# KiCad board TEST_PANEL.kicad_pcb (continued)
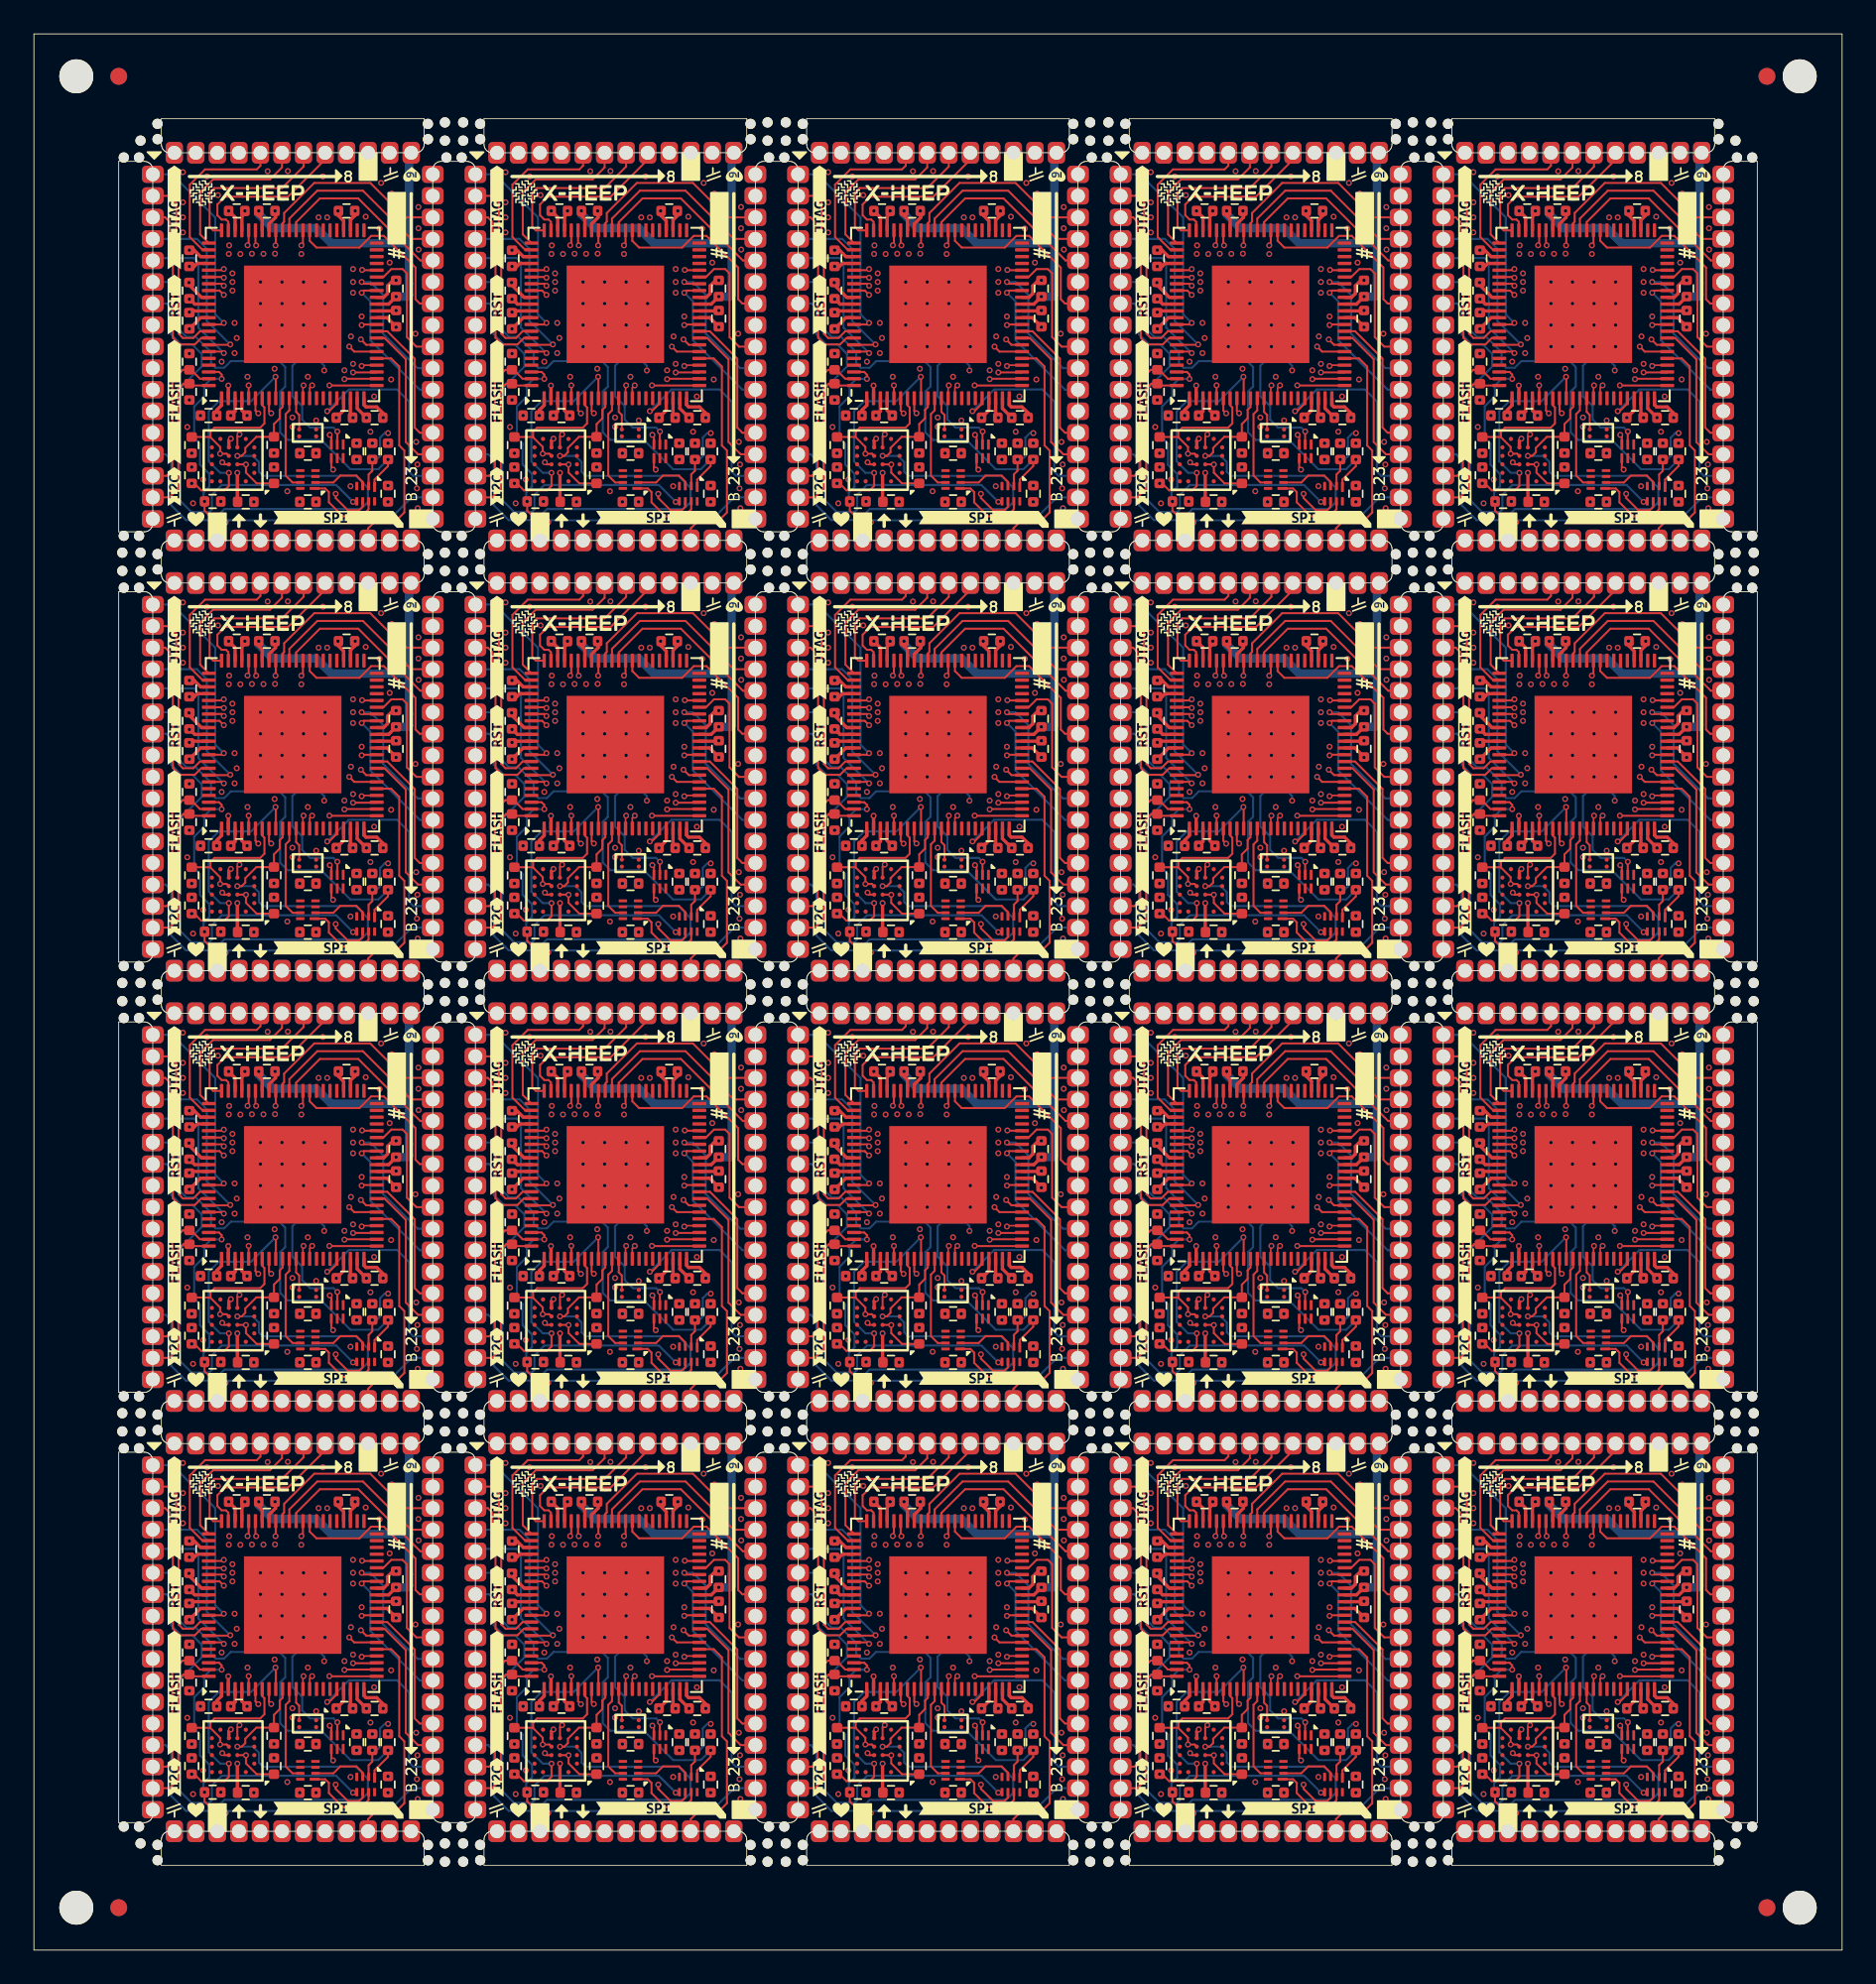
[diagram p0: board, top side]
## Routing (per net, layer and track width the routed paths; a pad name or vN(x,y) marks a point on that pad's centre or on a via; arc(x,y) is an arc through that point) (continued)
Board_15-/[1] HEEPocrates/REF_CLK_IN: length 38.2
  Top w0.12: OSC20.2 91.75,90.52 91.57,90.7 U96.12 ; OSC2.2 34.67,14.41 34.49,14.59 U6.12 ; OSC19.2 72.72,90.52 72.54,90.7 U91.12 ; OSC18.2 53.7,90.52 53.51,90.7 U86.12 ; U16.12 72.54,14.59 72.72,14.41 OSC4.2 ; U56.12 34.49,65.33 34.67,65.15 OSC12.2 ; OSC9.2 72.72,39.78 72.54,39.96 U41.12 ; U1.12 15.46,14.59 15.64,14.41 OSC1.2 ; OSC11.2 15.64,65.15 15.46,65.33 U51.12 ; U76.12 15.46,90.7 15.64,90.52 OSC16.2 ; U61.12 53.51,65.33 53.7,65.15 OSC13.2 ; OSC17.2 34.67,90.52 34.49,90.7 U81.12 ; OSC14.2 72.72,65.15 72.54,65.33 U66.12 ; OSC6.2 15.64,39.78 15.46,39.96 U26.12 ; U31.12 34.49,39.96 34.67,39.78 OSC7.2 ; U36.12 53.51,39.96 53.7,39.78 OSC8.2 ; OSC3.2 53.7,14.41 53.51,14.59 U11.12 ; OSC15.2 91.75,65.15 91.57,65.33 U71.12 ; OSC5.2 91.75,14.41 91.57,14.59 U21.12 ; OSC10.2 91.75,39.78 91.57,39.96 U46.12
Board_15-/[2] Connectors & Flash/nSOC_RST: length 95
  Top w0.12: U90.4 55.59,87.4 v1(55.7,87.3) ; U83.6 38.41,85.11 38.2,84.9 37.54,84.9 36.82,85.62 v1(36.82,85.87) ; v1(93.9,9.76) 93.9,9.51 94.62,8.79 95.28,8.79 95.49,9 U23.6 ; U93.6 76.47,85.11 76.25,84.9 75.59,84.9 74.87,85.62 v1(74.87,85.87) ; v1(93.9,35.13) 93.9,34.88 94.62,34.16 95.28,34.16 95.49,34.37 U48.6 ; U78.6 19.39,85.11 19.17,84.9 18.51,84.9 17.79,85.62 v1(17.79,85.87) ; 36.56,62.6 36.56,62.03 v1(36.67,61.92) ; v1(55.85,35.13) 55.85,34.88 56.57,34.16 57.23,34.16 57.44,34.37 U38.6 ; v1(74.72,87.3) 74.62,87.4 U95.4 ; v1(17.64,87.3) 17.54,87.4 U80.4 ; U53.6 19.39,59.74 19.17,59.53 18.51,59.53 17.79,60.25 v1(17.79,60.5) ; U85.4 36.56,87.4 v1(36.67,87.3) ; U50.4 93.64,36.66 v1(93.75,36.55) ; v1(17.64,61.92) 17.54,62.03 17.54,62.6 ; U3.6 19.39,9 19.17,8.79 18.51,8.79 17.79,9.51 v1(17.79,9.76) ; U18.6 76.47,9 76.25,8.79 75.59,8.79 74.87,9.51 v1(74.87,9.76) ; v1(55.85,85.87) 55.85,85.62 56.57,84.9 57.23,84.9 57.44,85.11 U88.6 ; U33.6 38.41,34.37 38.2,34.16 37.54,34.16 36.82,34.88 v1(36.82,35.13) ; U58.6 38.41,59.74 38.2,59.53 37.54,59.53 36.82,60.25 v1(36.82,60.5) ; v1(17.79,35.13) 17.79,34.88 18.51,34.16 19.17,34.16 19.39,34.37 U28.6 ; v1(36.67,36.55) 36.56,36.66 U35.4 ; U20.4 74.62,11.29 v1(74.72,11.18) ; v1(55.7,36.55) 55.59,36.66 U40.4 ; U10.4 36.56,11.29 v1(36.67,11.18) ; v1(17.64,11.18) 17.54,11.29 U5.4 ; U98.6 95.49,85.11 95.28,84.9 94.62,84.9 93.9,85.62 v1(93.9,85.87) ; U43.6 76.47,34.37 76.25,34.16 75.59,34.16 74.87,34.88 v1(74.87,35.13) ; U8.6 38.41,9 38.2,8.79 37.54,8.79 36.82,9.51 v1(36.82,9.76) ; U13.6 57.44,9 57.23,8.79 56.57,8.79 55.85,9.51 v1(55.85,9.76) ; U73.6 95.49,59.74 95.28,59.53 94.62,59.53 93.9,60.25 v1(93.9,60.5) ; U100.4 93.64,87.4 v1(93.75,87.3) ; U25.4 93.64,11.29 v1(93.75,11.18) ; 55.59,62.6 55.59,62.03 v1(55.7,61.92) ; v1(55.7,11.18) 55.59,11.29 U15.4 ; v1(55.85,60.5) 55.85,60.25 56.57,59.53 57.23,59.53 57.44,59.74 U63.6 ; v1(74.87,60.5) 74.87,60.25 75.59,59.53 76.25,59.53 76.47,59.74 U68.6 ; U30.4 17.54,36.66 v1(17.64,36.55) ; v1(93.75,61.92) 93.64,62.03 93.64,62.6 ; U45.4 74.62,36.66 v1(74.72,36.55) ; v1(74.72,61.92) 74.62,62.03 74.62,62.6
  In3.Cu w0.12: v1(17.79,35.13) 17.64,35.28 v1(17.64,36.55) ; v1(74.72,87.3) 74.72,86.02 v1(74.87,85.87) ; v1(74.87,35.13) 74.72,35.28 v1(74.72,36.55) ; v1(36.67,61.92) 36.67,60.65 v1(36.82,60.5) ; v1(55.7,36.55) 55.7,35.28 v1(55.85,35.13) ; v1(36.67,36.55) 36.67,35.28 v1(36.82,35.13) ; v1(93.75,87.3) 93.75,86.02 v1(93.9,85.87) ; v1(17.79,60.5) 17.64,60.65 v1(17.64,61.92) ; v1(74.87,9.76) 74.72,9.91 v1(74.72,11.18) ; v1(17.79,85.87) 17.64,86.02 v1(17.64,87.3) ; v1(55.85,60.5) 55.7,60.65 v1(55.7,61.92) ; v1(93.9,9.76) 93.75,9.91 v1(93.75,11.18) ; v1(93.75,36.55) 93.75,35.28 v1(93.9,35.13) ; v1(55.85,9.76) 55.7,9.91 v1(55.7,11.18) ; v1(93.9,60.5) 93.75,60.65 v1(93.75,61.92) ; v1(74.72,61.92) 74.72,60.65 v1(74.87,60.5) ; v1(55.85,85.87) 55.7,86.02 v1(55.7,87.3) ; v1(36.67,87.3) 36.67,86.02 v1(36.82,85.87) ; v1(36.67,11.18) 36.67,9.91 v1(36.82,9.76) ; v1(17.79,9.76) 17.64,9.91 v1(17.64,11.18)
Board_15-/[2] Connectors & Flash/RST_A: length 97.1
  Top w0.12: U23.7 95.84,8.85 95.42,8.43 94.33,8.43 93.5,9.26 93.5,9.86 93.28,10.08 U24.1 ; U44.1 74.25,35.45 74.47,35.23 74.47,34.63 75.3,33.8 76.39,33.8 76.81,34.22 U43.7 ; U74.1 93.28,60.82 93.5,60.6 93.5,60 94.33,59.17 95.42,59.17 95.84,59.59 U73.7 ; U28.7 19.74,34.22 19.31,33.8 18.22,33.8 17.39,34.63 17.39,35.23 17.18,35.45 U29.1 ; U48.7 95.84,34.22 95.42,33.8 94.33,33.8 93.5,34.63 93.5,35.23 93.28,35.45 U49.1 ; U14.1 55.23,10.08 55.45,9.86 55.45,9.26 56.28,8.43 57.37,8.43 57.79,8.85 U13.7 ; U19.1 74.25,10.08 74.47,9.86 74.47,9.26 75.3,8.43 76.39,8.43 76.81,8.85 U18.7 ; U59.1 36.2,60.82 36.42,60.6 36.42,60 37.25,59.17 38.34,59.17 38.76,59.59 U58.7 ; U89.1 55.23,86.19 55.45,85.97 55.45,85.37 56.28,84.54 57.37,84.54 57.79,84.96 U88.7 ; U99.1 93.28,86.19 93.5,85.97 93.5,85.37 94.33,84.54 95.42,84.54 95.84,84.96 U98.7 ; U54.1 17.18,60.82 17.39,60.6 17.39,60 18.22,59.17 19.31,59.17 19.74,59.59 U53.7 ; U83.7 38.76,84.96 38.34,84.54 37.25,84.54 36.42,85.37 36.42,85.97 36.2,86.19 U84.1 ; U79.1 17.18,86.19 17.39,85.97 17.39,85.37 18.22,84.54 19.31,84.54 19.74,84.96 U78.7 ; U64.1 55.23,60.82 55.45,60.6 55.45,60 56.28,59.17 57.37,59.17 57.79,59.59 U63.7 ; U4.1 17.18,10.08 17.39,9.86 17.39,9.26 18.22,8.43 19.31,8.43 19.74,8.85 U3.7 ; U93.7 76.81,84.96 76.39,84.54 75.3,84.54 74.47,85.37 74.47,85.97 74.25,86.19 U94.1 ; U68.7 76.81,59.59 76.39,59.17 75.3,59.17 74.47,60 74.47,60.6 74.25,60.82 U69.1 ; U38.7 57.79,34.22 57.37,33.8 56.28,33.8 55.45,34.63 55.45,35.23 55.23,35.45 U39.1 ; U34.1 36.2,35.45 36.42,35.23 36.42,34.63 37.25,33.8 38.34,33.8 38.76,34.22 U33.7 ; U8.7 38.76,8.85 38.34,8.43 37.25,8.43 36.42,9.26 36.42,9.86 36.2,10.08 U9.1
Board_15-/[2] Connectors & Flash/RST_B: length 67.1
  Top w0.12: U88.3 57.44,86.58 57.07,86.95 56.12,86.95 55.71,86.54 U89.2 ; U69.2 74.74,61.17 75.15,61.57 76.09,61.57 76.47,61.2 U68.3 ; U13.3 57.44,10.46 57.07,10.83 56.12,10.83 55.71,10.43 U14.2 ; U18.3 76.47,10.46 76.09,10.83 75.15,10.83 74.74,10.43 U19.2 ; U58.3 38.41,61.2 38.04,61.57 37.09,61.57 36.69,61.17 U59.2 ; U44.2 74.74,35.8 75.15,36.2 76.09,36.2 76.47,35.83 U43.3 ; U49.2 93.77,35.8 94.17,36.2 95.12,36.2 95.49,35.83 U48.3 ; U28.3 19.39,35.83 19.02,36.2 18.07,36.2 17.66,35.8 U29.2 ; U73.3 95.49,61.2 95.12,61.57 94.17,61.57 93.77,61.17 U74.2 ; U98.3 95.49,86.58 95.12,86.95 94.17,86.95 93.77,86.54 U99.2 ; U24.2 93.77,10.43 94.17,10.83 95.12,10.83 95.49,10.46 U23.3 ; U4.2 17.66,10.43 18.07,10.83 19.02,10.83 19.39,10.46 U3.3 ; U64.2 55.71,61.17 56.12,61.57 57.07,61.57 57.44,61.2 U63.3 ; U39.2 55.71,35.8 56.12,36.2 57.07,36.2 57.44,35.83 U38.3 ; U9.2 36.69,10.43 37.09,10.83 38.04,10.83 38.41,10.46 U8.3 ; U53.3 19.39,61.2 19.02,61.57 18.07,61.57 17.66,61.17 U54.2 ; U93.3 76.47,86.58 76.09,86.95 75.15,86.95 74.74,86.54 U94.2 ; U33.3 38.41,35.83 38.04,36.2 37.09,36.2 36.69,35.8 U34.2 ; U78.3 19.39,86.58 19.02,86.95 18.07,86.95 17.66,86.54 U79.2 ; U83.3 38.41,86.58 38.04,86.95 37.09,86.95 36.69,86.54 U84.2
Board_15-BOOT_SEL_EXT: length 495.3
  Top w0.12: U96.86 87.02,93.06 87.18,92.9 v1(87.18,92.65) ; v1(49.36,8.08) 48.8,8.08 48.11,8.77 v1(48.11,9.31) ; v1(30.1,41.9) 30.1,42.16 29.94,42.31 U31.86 ; v1(68.15,92.65) 68.15,92.9 67.99,93.06 U91.86 ; U16.86 67.99,16.94 68.15,16.79 v1(68.15,16.53) ; v1(67.14,9.31) 67.14,8.77 67.83,8.08 v1(68.38,8.08) ; v1(86.16,85.42) 86.16,84.88 86.85,84.19 v1(87.41,84.19) ; v1(11.3,58.82) 10.75,58.82 10.06,59.51 v1(10.06,60.05) ; U76.86 10.92,93.06 11.07,92.9 v1(11.07,92.65) ; v1(67.14,60.05) 67.14,59.51 67.83,58.82 v1(68.38,58.82) ; U11.86 48.97,16.94 49.12,16.79 v1(49.12,16.53) ; v1(11.3,33.45) 10.75,33.45 10.06,34.14 v1(10.06,34.68) ; v1(29.09,60.05) 29.09,59.51 29.77,58.82 v1(30.33,58.82) ; U36.86 48.97,42.31 49.12,42.16 v1(49.12,41.9) ; v1(67.14,85.42) 67.14,84.88 67.83,84.19 v1(68.38,84.19) ; v1(29.09,85.42) 29.09,84.88 29.77,84.19 v1(30.33,84.19) ; v1(11.07,41.9) 11.07,42.16 10.92,42.31 U26.86 ; v1(86.16,34.68) 86.16,34.14 86.85,33.45 v1(87.41,33.45) ; v1(11.3,84.19) 10.75,84.19 10.06,84.88 v1(10.06,85.42) ; v1(11.07,67.27) 11.07,67.53 10.92,67.68 U51.86 ; v1(68.38,33.45) 67.83,33.45 67.14,34.14 v1(67.14,34.68) ; v1(30.33,8.08) 29.77,8.08 29.09,8.77 v1(29.09,9.31) ; v1(48.11,34.68) 48.11,34.14 48.8,33.45 v1(49.36,33.45) ; v1(86.16,9.31) 86.16,8.77 86.85,8.08 v1(87.41,8.08) ; v1(49.36,58.82) 48.8,58.82 48.11,59.51 v1(48.11,60.05) ; U81.86 29.94,93.06 30.1,92.9 v1(30.1,92.65) ; v1(30.1,16.53) 30.1,16.79 29.94,16.94 U6.86 ; U41.86 67.99,42.31 68.15,42.16 v1(68.15,41.9) ; U1.86 10.92,16.94 11.07,16.79 v1(11.07,16.53) ; v1(49.12,92.65) 49.12,92.9 48.97,93.06 U86.86 ; v1(30.1,67.27) 30.1,67.53 29.94,67.68 U56.86 ; U61.86 48.97,67.68 49.12,67.53 v1(49.12,67.27) ; U46.86 87.02,42.31 87.18,42.16 v1(87.18,41.9) ; v1(87.41,58.82) 86.85,58.82 86.16,59.51 v1(86.16,60.05) ; v1(68.15,67.27) 68.15,67.53 67.99,67.68 U66.86 ; v1(29.09,34.68) 29.09,34.14 29.77,33.45 v1(30.33,33.45) ; v1(10.06,9.31) 10.06,8.77 10.75,8.08 v1(11.3,8.08) ; v1(87.18,67.27) 87.18,67.53 87.02,67.68 U71.86 ; v1(87.18,16.53) 87.18,16.79 87.02,16.94 U21.86 ; v1(48.11,85.42) 48.11,84.88 48.8,84.19 v1(49.36,84.19)
  Bottom w0.12: v1(86.16,85.42) 86.11,85.48 86.11,85.95 86.45,86.29 86.45,87.04 85.9,87.59 85.9,88.82 85.56,89.16 85.56,91.03 86.15,91.62 86.15,92.25 86.55,92.65 v1(87.18,92.65) ; v1(11.3,8.08) 11.42,8.2 20.92,8.2 22.27,9.55 23.52,9.55 ; v1(86.16,34.68) 86.11,34.74 86.11,35.21 86.45,35.55 86.45,36.3 85.9,36.85 85.9,38.08 85.56,38.42 85.56,40.29 86.15,40.88 86.15,41.5 86.55,41.9 v1(87.18,41.9) ; v1(67.14,85.42) 67.08,85.48 67.08,85.95 67.42,86.29 67.42,87.04 66.87,87.59 66.87,88.82 66.53,89.16 66.53,91.03 67.12,91.62 67.12,92.25 67.52,92.65 v1(68.15,92.65) ; J3.31 60.33,9.55 58.98,8.2 49.48,8.2 v1(49.36,8.08) ; v1(68.15,41.9) 67.52,41.9 67.12,41.5 67.12,40.88 66.53,40.29 66.53,38.42 66.87,38.08 66.87,36.85 67.42,36.3 67.42,35.55 67.08,35.21 67.08,34.74 v1(67.14,34.68) ; v1(49.12,92.65) 48.5,92.65 48.1,92.25 48.1,91.62 47.51,91.03 47.51,89.16 47.85,88.82 47.85,87.59 48.4,87.04 48.4,86.29 48.06,85.95 48.06,85.48 v1(48.11,85.42) ; J13.31 60.33,60.29 58.98,58.94 49.48,58.94 v1(49.36,58.82) ; v1(10.06,34.68) 10,34.74 10,35.21 10.34,35.55 10.34,36.3 9.79,36.85 9.79,38.08 9.45,38.42 9.45,40.29 10.04,40.88 10.04,41.5 10.44,41.9 v1(11.07,41.9) ; v1(11.3,33.45) 11.42,33.57 20.92,33.57 22.27,34.92 23.52,34.92 ; v1(87.41,33.45) 87.53,33.57 97.03,33.57 98.38,34.92 99.62,34.92 ; v1(87.41,84.19) 87.53,84.31 97.03,84.31 98.38,85.66 J20.31 ; J19.31 79.35,85.66 78,84.31 68.5,84.31 v1(68.38,84.19) ; J4.31 79.35,9.55 78,8.2 68.5,8.2 v1(68.38,8.08) ; v1(30.1,92.65) 29.47,92.65 29.07,92.25 29.07,91.62 28.48,91.03 28.48,89.16 28.82,88.82 28.82,87.59 29.37,87.04 29.37,86.29 29.03,85.95 29.03,85.48 v1(29.09,85.42) ; v1(68.15,67.27) 67.52,67.27 67.12,66.87 67.12,66.25 66.53,65.66 66.53,63.79 66.87,63.45 66.87,62.22 67.42,61.67 67.42,60.92 67.08,60.58 67.08,60.11 v1(67.14,60.05) ; v1(48.11,9.31) 48.06,9.36 48.06,9.84 48.4,10.18 48.4,10.93 47.85,11.48 47.85,12.71 47.51,13.05 47.51,14.91 48.1,15.5 48.1,16.13 48.5,16.53 v1(49.12,16.53) ; 23.52,85.66 22.27,85.66 20.92,84.31 11.42,84.31 v1(11.3,84.19) ; v1(68.38,33.45) 68.5,33.57 78,33.57 79.35,34.92 80.6,34.92 ; v1(87.41,8.08) 87.53,8.2 97.03,8.2 98.38,9.55 J5.31 ; v1(87.41,58.82) 87.53,58.94 97.03,58.94 98.38,60.29 J15.31 ; v1(10.06,85.42) 10,85.48 10,85.95 10.34,86.29 10.34,87.04 9.79,87.59 9.79,88.82 9.45,89.16 9.45,91.03 10.04,91.62 10.04,92.25 10.44,92.65 v1(11.07,92.65) ; v1(11.3,58.82) 11.42,58.94 20.92,58.94 22.27,60.29 23.52,60.29 ; J14.31 79.35,60.29 78,58.94 68.5,58.94 v1(68.38,58.82) ; v1(49.12,67.27) 48.5,67.27 48.1,66.87 48.1,66.25 47.51,65.66 47.51,63.79 47.85,63.45 47.85,62.22 48.4,61.67 48.4,60.92 48.06,60.58 48.06,60.11 v1(48.11,60.05) ; v1(49.12,41.9) 48.5,41.9 48.1,41.5 48.1,40.88 47.51,40.29 47.51,38.42 47.85,38.08 47.85,36.85 48.4,36.3 48.4,35.55 48.06,35.21 48.06,34.74 v1(48.11,34.68) ; v1(87.18,16.53) 86.55,16.53 86.15,16.13 86.15,15.5 85.56,14.91 85.56,13.05 85.9,12.71 85.9,11.48 86.45,10.93 86.45,10.18 86.11,9.84 86.11,9.36 v1(86.16,9.31) ; J18.31 60.33,85.66 58.98,84.31 49.48,84.31 v1(49.36,84.19) ; v1(29.09,60.05) 29.03,60.11 29.03,60.58 29.37,60.92 29.37,61.67 28.82,62.22 28.82,63.45 28.48,63.79 28.48,65.66 29.07,66.25 29.07,66.87 29.47,67.27 v1(30.1,67.27) ; v1(29.09,34.68) 29.03,34.74 29.03,35.21 29.37,35.55 29.37,36.3 28.82,36.85 28.82,38.08 28.48,38.42 28.48,40.29 29.07,40.88 29.07,41.5 29.47,41.9 v1(30.1,41.9) ; 42.54,34.92 41.3,34.92 39.95,33.57 30.45,33.57 v1(30.33,33.45) ; v1(67.14,9.31) 67.08,9.36 67.08,9.84 67.42,10.18 67.42,10.93 66.87,11.48 66.87,12.71 66.53,13.05 66.53,14.91 67.12,15.5 67.12,16.13 67.52,16.53 v1(68.15,16.53) ; J17.31 41.3,85.66 39.95,84.31 30.45,84.31 v1(30.33,84.19) ; 61.57,34.92 60.33,34.92 58.98,33.57 49.48,33.57 v1(49.36,33.45) ; v1(87.18,67.27) 86.55,67.27 86.15,66.87 86.15,66.25 85.56,65.66 85.56,63.79 85.9,63.45 85.9,62.22 86.45,61.67 86.45,60.92 86.11,60.58 86.11,60.11 v1(86.16,60.05) ; v1(10.06,60.05) 10,60.11 10,60.58 10.34,60.92 10.34,61.67 9.79,62.22 9.79,63.45 9.45,63.79 9.45,65.66 10.04,66.25 10.04,66.87 10.44,67.27 v1(11.07,67.27) ; v1(30.33,58.82) 30.45,58.94 39.95,58.94 41.3,60.29 J12.31 ; v1(10.06,9.31) 10,9.36 10,9.84 10.34,10.18 10.34,10.93 9.79,11.48 9.79,12.71 9.45,13.05 9.45,14.91 10.04,15.5 10.04,16.13 10.44,16.53 v1(11.07,16.53) ; v1(30.33,8.08) 30.45,8.2 39.95,8.2 41.3,9.55 J2.31 ; v1(29.09,9.31) 29.03,9.36 29.03,9.84 29.37,10.18 29.37,10.93 28.82,11.48 28.82,12.71 28.48,13.05 28.48,14.91 29.07,15.5 29.07,16.13 29.47,16.53 v1(30.1,16.53)
Board_15-FLASH_CS: length 423.6
  Top w0.12: U91.9 71.34,92.76 v1(71.32,92.77) ; U26.9 14.26,42.01 v1(14.25,42.03) ; v1(30.52,87.11) 30.52,86.34 30.26,86.08 28.89,86.08 28.48,86.48 ; U1.9 14.26,16.64 v1(14.25,16.66) ; 9.46,10.37 9.86,9.96 11.23,9.96 11.5,10.22 v1(11.5,11) ; v1(14.25,67.4) 14.26,67.39 U51.9 ; v1(49.55,61.74) 49.55,60.97 49.29,60.7 47.92,60.7 47.51,61.11 ; 85.56,35.74 85.97,35.33 87.34,35.33 87.6,35.6 v1(87.6,36.37) ; v1(11.5,36.37) 11.5,35.6 11.23,35.33 9.86,35.33 9.46,35.74 ; v1(52.3,67.4) 52.31,67.39 U61.9 ; v1(11.5,87.11) 11.5,86.34 11.23,86.08 9.86,86.08 9.46,86.48 ; 85.56,10.37 85.97,9.96 87.34,9.96 87.6,10.22 v1(87.6,11) ; v1(71.32,16.66) 71.34,16.64 U16.9 ; v1(90.35,42.03) 90.37,42.01 U46.9 ; v1(52.3,92.77) 52.31,92.76 U86.9 ; U6.9 33.29,16.64 v1(33.27,16.66) ; 66.53,35.74 66.94,35.33 68.31,35.33 68.57,35.6 v1(68.57,36.37) ; v1(33.27,42.03) 33.29,42.01 U31.9 ; 47.51,86.48 47.92,86.08 49.29,86.08 49.55,86.34 v1(49.55,87.11) ; v1(90.35,16.66) 90.37,16.64 U21.9 ; 28.48,61.11 28.89,60.7 30.26,60.7 30.52,60.97 v1(30.52,61.74) ; 47.51,10.37 47.92,9.96 49.29,9.96 49.55,10.22 v1(49.55,11) ; 66.53,86.48 66.94,86.08 68.31,86.08 68.57,86.34 v1(68.57,87.11) ; 85.56,61.11 85.97,60.7 87.34,60.7 87.6,60.97 v1(87.6,61.74) ; v1(90.35,92.77) 90.37,92.76 U96.9 ; U36.9 52.31,42.01 v1(52.3,42.03) ; 28.48,10.37 28.89,9.96 30.26,9.96 30.52,10.22 v1(30.52,11) ; v1(68.57,61.74) 68.57,60.97 68.31,60.7 66.94,60.7 66.53,61.11 ; v1(11.5,61.74) 11.5,60.97 11.23,60.7 9.86,60.7 9.46,61.11 ; v1(52.3,16.66) 52.31,16.64 U11.9 ; U81.9 33.29,92.76 v1(33.27,92.77) ; 85.56,86.48 85.97,86.08 87.34,86.08 87.6,86.34 v1(87.6,87.11) ; v1(49.55,36.37) 49.55,35.6 49.29,35.33 47.92,35.33 47.51,35.74 ; v1(33.27,67.4) 33.29,67.39 U56.9 ; v1(30.52,36.37) 30.52,35.6 30.26,35.33 28.89,35.33 28.48,35.74 ; U71.9 90.37,67.39 v1(90.35,67.4) ; U66.9 71.34,67.39 v1(71.32,67.4) ; 66.53,10.37 66.94,9.96 68.31,9.96 68.57,10.22 v1(68.57,11) ; U76.9 14.26,92.76 v1(14.25,92.77) ; U41.9 71.34,42.01 v1(71.32,42.03)
  In3.Cu w0.12: v1(66.38,86.48) 66.38,86.56 67.02,87.2 67.02,89.42 65.52,90.92 65.52,91.62 65.13,92.01 J19.11 ; v1(28.33,35.74) 28.33,35.82 28.97,36.45 28.97,38.68 27.47,40.18 27.47,40.88 27.08,41.27 J7.11 ; v1(9.31,10.37) 9.31,10.44 9.94,11.08 9.94,13.31 8.44,14.81 8.44,15.51 8.05,15.9 J1.11 ; J16.11 8.05,92.01 8.44,91.62 8.44,90.92 9.94,89.42 9.94,87.2 9.31,86.56 v1(9.31,86.48) ; J3.11 46.11,15.9 46.5,15.51 46.5,14.81 48,13.31 48,11.08 47.36,10.44 v1(47.36,10.37) ; J13.11 46.11,66.64 46.5,66.25 46.5,65.55 48,64.05 48,61.82 47.36,61.19 v1(47.36,61.11) ; J12.11 27.08,66.64 27.47,66.25 27.47,65.55 28.97,64.05 28.97,61.82 28.33,61.19 v1(28.33,61.11) ; v1(66.38,61.11) 66.38,61.19 67.02,61.82 67.02,64.05 65.52,65.55 65.52,66.25 65.13,66.64 J14.11 ; J4.11 65.13,15.9 65.52,15.51 65.52,14.81 67.02,13.31 67.02,11.08 66.38,10.44 v1(66.38,10.37) ; v1(47.36,86.48) 47.36,86.56 48,87.2 48,89.42 46.5,90.92 46.5,91.62 46.11,92.01 J18.11 ; v1(9.31,61.11) 9.31,61.19 9.94,61.82 9.94,64.05 8.44,65.55 8.44,66.25 8.05,66.64 J11.11 ; J8.11 46.11,41.27 46.5,40.88 46.5,40.18 48,38.68 48,36.45 47.36,35.82 v1(47.36,35.74) ; v1(85.41,35.74) 85.41,35.82 86.05,36.45 86.05,38.68 84.55,40.18 84.55,40.88 84.16,41.27 J10.11 ; J6.11 8.05,41.27 8.44,40.88 8.44,40.18 9.94,38.68 9.94,36.45 9.31,35.82 v1(9.31,35.74) ; J15.11 84.16,66.64 84.55,66.25 84.55,65.55 86.05,64.05 86.05,61.82 85.41,61.19 v1(85.41,61.11) ; v1(66.38,35.74) 66.38,35.82 67.02,36.45 67.02,38.68 65.52,40.18 65.52,40.88 65.13,41.27 J9.11 ; J20.11 84.16,92.01 84.55,91.62 84.55,90.92 86.05,89.42 86.05,87.2 85.41,86.56 v1(85.41,86.48) ; J17.11 27.08,92.01 27.47,91.62 27.47,90.92 28.97,89.42 28.97,87.2 28.33,86.56 v1(28.33,86.48) ; v1(28.33,10.37) 28.33,10.44 28.97,11.08 28.97,13.31 27.47,14.81 27.47,15.51 27.08,15.9 J2.11 ; v1(85.41,10.37) 85.41,10.44 86.05,11.08 86.05,13.31 84.55,14.81 84.55,15.51 84.16,15.9 J5.11
  Bottom w0.12: v1(52.3,67.4) 50.86,65.96 48.96,65.96 48.36,65.37 48.36,62.41 49.04,61.74 v1(49.55,61.74) ; v1(68.57,36.37) 68.06,36.37 67.39,37.04 67.39,39.99 67.98,40.59 69.88,40.59 v1(71.32,42.03) ; v1(71.32,67.4) 69.88,65.96 67.98,65.96 67.39,65.37 67.39,62.41 68.06,61.74 v1(68.57,61.74) ; v1(49.55,11) 49.04,11 48.36,11.67 48.36,14.62 48.96,15.22 50.86,15.22 v1(52.3,16.66) ; v1(33.27,16.66) 31.83,15.22 29.93,15.22 29.34,14.62 29.34,11.67 30.01,11 v1(30.52,11) ; v1(87.6,36.37) 87.09,36.37 86.41,37.04 86.41,39.99 87.01,40.59 88.91,40.59 v1(90.35,42.03) ; v1(30.52,87.11) 30.01,87.11 29.34,87.78 29.34,90.74 29.93,91.33 31.83,91.33 v1(33.27,92.77) ; v1(90.35,92.77) 88.91,91.33 87.01,91.33 86.41,90.74 86.41,87.78 87.09,87.11 v1(87.6,87.11) ; v1(11.5,61.74) 10.99,61.74 10.31,62.41 10.31,65.37 10.9,65.96 12.8,65.96 v1(14.25,67.4) ; v1(90.35,67.4) 88.91,65.96 87.01,65.96 86.41,65.37 86.41,62.41 87.09,61.74 v1(87.6,61.74) ; v1(49.55,36.37) 49.04,36.37 48.36,37.04 48.36,39.99 48.96,40.59 50.86,40.59 v1(52.3,42.03) ; v1(30.52,36.37) 30.01,36.37 29.34,37.04 29.34,39.99 29.93,40.59 31.83,40.59 v1(33.27,42.03) ; v1(30.52,61.74) 30.01,61.74 29.34,62.41 29.34,65.37 29.93,65.96 31.83,65.96 v1(33.27,67.4) ; v1(14.25,42.03) 12.8,40.59 10.9,40.59 10.31,39.99 10.31,37.04 10.99,36.37 v1(11.5,36.37) ; v1(14.25,16.66) 12.8,15.22 10.9,15.22 10.31,14.62 10.31,11.67 10.99,11 v1(11.5,11) ; v1(71.32,92.77) 69.88,91.33 67.98,91.33 67.39,90.74 67.39,87.78 68.06,87.11 v1(68.57,87.11) ; v1(11.5,87.11) 10.99,87.11 10.31,87.78 10.31,90.74 10.9,91.33 12.8,91.33 v1(14.25,92.77) ; v1(52.3,92.77) 50.86,91.33 48.96,91.33 48.36,90.74 48.36,87.78 49.04,87.11 v1(49.55,87.11) ; v1(90.35,16.66) 88.91,15.22 87.01,15.22 86.41,14.62 86.41,11.67 87.09,11 v1(87.6,11) ; v1(68.57,11) 68.06,11 67.39,11.67 67.39,14.62 67.98,15.22 69.88,15.22 v1(71.32,16.66)
Board_15-FLASH_MISO: length 266.9
  Top w0.12: U27.C4 11.23,36.87 v1(11.11,36.98) ; U42.C4 68.3,36.87 v1(68.19,36.98) ; U36.6 51.12,40.04 v1(51.28,39.87) ; U72.C4 87.33,62.24 v1(87.21,62.36) ; U97.C4 87.33,87.61 v1(87.21,87.73) ; U16.6 70.14,14.67 v1(70.31,14.5) ; U6.6 32.09,14.67 v1(32.26,14.5) ; U11.6 51.12,14.67 v1(51.28,14.5) ; v1(11.11,87.73) 11.23,87.61 U77.C4 ; U71.6 89.17,65.41 v1(89.34,65.24) ; v1(51.28,90.61) 51.12,90.78 U86.6 ; v1(13.23,39.87) 13.06,40.04 U26.6 ; v1(70.31,90.61) 70.14,90.78 U91.6 ; U7.C4 30.25,11.5 v1(30.13,11.61) ; v1(70.31,39.87) 70.14,40.04 U41.6 ; v1(30.13,36.98) 30.25,36.87 U32.C4 ; U22.C4 87.33,11.5 v1(87.21,11.61) ; v1(49.16,11.61) 49.28,11.5 U12.C4 ; U1.6 13.06,14.67 v1(13.23,14.5) ; v1(32.26,90.61) 32.09,90.78 U81.6 ; v1(89.34,90.61) 89.17,90.78 U96.6 ; U51.6 13.06,65.41 v1(13.23,65.24) ; U52.C4 11.23,62.24 v1(11.11,62.36) ; U21.6 89.17,14.67 v1(89.34,14.5) ; U66.6 70.14,65.41 v1(70.31,65.24) ; U92.C4 68.3,87.61 v1(68.19,87.73) ; v1(32.26,39.87) 32.09,40.04 U31.6 ; v1(32.26,65.24) 32.09,65.41 U56.6 ; U87.C4 49.28,87.61 v1(49.16,87.73) ; v1(51.28,65.24) 51.12,65.41 U61.6 ; v1(68.19,62.36) 68.3,62.24 U67.C4 ; U17.C4 68.3,11.5 v1(68.19,11.61) ; v1(49.16,62.36) 49.28,62.24 U62.C4 ; v1(13.23,90.61) 13.06,90.78 U76.6 ; U57.C4 30.25,62.24 v1(30.13,62.36) ; U37.C4 49.28,36.87 v1(49.16,36.98) ; v1(87.21,36.98) 87.33,36.87 U47.C4 ; v1(89.34,39.87) 89.17,40.04 U46.6 ; v1(11.11,11.61) 11.23,11.5 U2.C4 ; U82.C4 30.25,87.61 v1(30.13,87.73)
  In3.Cu w0.12: J12.10 27.84,67.91 29.95,65.8 31.7,65.8 v1(32.26,65.24) 32.26,65.2 31.76,64.7 30.87,64.7 30.19,64.02 30.19,63.58 30.52,63.25 30.52,62.65 30.23,62.36 v1(30.13,62.36) ; v1(68.19,11.61) 68.28,11.61 68.57,11.91 68.57,12.51 68.24,12.84 68.24,13.28 68.92,13.96 69.81,13.96 70.31,14.45 v1(70.31,14.5) 69.75,15.06 68,15.06 65.89,17.17 J4.10 ; J9.10 65.89,42.54 68,40.43 69.75,40.43 v1(70.31,39.87) 70.31,39.83 69.81,39.33 68.92,39.33 68.24,38.65 68.24,38.21 68.57,37.88 68.57,37.28 68.28,36.98 v1(68.19,36.98) ; v1(68.19,62.36) 68.28,62.36 68.57,62.65 68.57,63.25 68.24,63.58 68.24,64.02 68.92,64.7 69.81,64.7 70.31,65.2 v1(70.31,65.24) 69.75,65.8 68,65.8 65.89,67.91 J14.10 ; J20.10 84.92,93.28 87.03,91.17 88.78,91.17 v1(89.34,90.61) 89.34,90.57 88.84,90.07 87.95,90.07 87.27,89.39 87.27,88.95 87.6,88.62 87.6,88.02 87.3,87.73 v1(87.21,87.73) ; v1(87.21,36.98) 87.3,36.98 87.6,37.28 87.6,37.88 87.27,38.21 87.27,38.65 87.95,39.33 88.84,39.33 89.34,39.83 v1(89.34,39.87) 88.78,40.43 87.03,40.43 84.92,42.54 J10.10 ; v1(30.13,87.73) 30.23,87.73 30.52,88.02 30.52,88.62 30.19,88.95 30.19,89.39 30.87,90.07 31.76,90.07 32.26,90.57 v1(32.26,90.61) 31.7,91.17 29.95,91.17 27.84,93.28 J17.10 ; v1(87.21,11.61) 87.3,11.61 87.6,11.91 87.6,12.51 87.27,12.84 87.27,13.28 87.95,13.96 88.84,13.96 89.34,14.45 v1(89.34,14.5) 88.78,15.06 87.03,15.06 84.92,17.17 J5.10 ; v1(11.11,36.98) 11.2,36.98 11.49,37.28 11.49,37.88 11.16,38.21 11.16,38.65 11.84,39.33 12.73,39.33 13.23,39.83 v1(13.23,39.87) 12.67,40.43 10.92,40.43 8.81,42.54 J6.10 ; J2.10 27.84,17.17 29.95,15.06 31.7,15.06 v1(32.26,14.5) 32.26,14.45 31.76,13.96 30.87,13.96 30.19,13.28 30.19,12.84 30.52,12.51 30.52,11.91 30.23,11.61 v1(30.13,11.61) ; v1(68.19,87.73) 68.28,87.73 68.57,88.02 68.57,88.62 68.24,88.95 68.24,89.39 68.92,90.07 69.81,90.07 70.31,90.57 v1(70.31,90.61) 69.75,91.17 68,91.17 65.89,93.28 J19.10 ; v1(49.16,87.73) 49.25,87.73 49.55,88.02 49.55,88.62 49.22,88.95 49.22,89.39 49.9,90.07 50.79,90.07 51.28,90.57 v1(51.28,90.61) 50.73,91.17 48.98,91.17 46.87,93.28 J18.10 ; J15.10 84.92,67.91 87.03,65.8 88.78,65.8 v1(89.34,65.24) 89.34,65.2 88.84,64.7 87.95,64.7 87.27,64.02 87.27,63.58 87.6,63.25 87.6,62.65 87.3,62.36 v1(87.21,62.36) ; v1(49.16,62.36) 49.25,62.36 49.55,62.65 49.55,63.25 49.22,63.58 49.22,64.02 49.9,64.7 50.79,64.7 51.28,65.2 v1(51.28,65.24) 50.73,65.8 48.98,65.8 46.87,67.91 J13.10 ; J8.10 46.87,42.54 48.98,40.43 50.73,40.43 v1(51.28,39.87) 51.28,39.83 50.79,39.33 49.9,39.33 49.22,38.65 49.22,38.21 49.55,37.88 49.55,37.28 49.25,36.98 v1(49.16,36.98) ; v1(49.16,11.61) 49.25,11.61 49.55,11.91 49.55,12.51 49.22,12.84 49.22,13.28 49.9,13.96 50.79,13.96 51.28,14.45 v1(51.28,14.5) 50.73,15.06 48.98,15.06 46.87,17.17 J3.10 ; v1(30.13,36.98) 30.23,36.98 30.52,37.28 30.52,37.88 30.19,38.21 30.19,38.65 30.87,39.33 31.76,39.33 32.26,39.83 v1(32.26,39.87) 31.7,40.43 29.95,40.43 27.84,42.54 J7.10 ; v1(11.11,11.61) 11.2,11.61 11.49,11.91 11.49,12.51 11.16,12.84 11.16,13.28 11.84,13.96 12.73,13.96 13.23,14.45 v1(13.23,14.5) 12.67,15.06 10.92,15.06 8.81,17.17 J1.10 ; J16.10 8.81,93.28 10.92,91.17 12.67,91.17 v1(13.23,90.61) 13.23,90.57 12.73,90.07 11.84,90.07 11.16,89.39 11.16,88.95 11.49,88.62 11.49,88.02 11.2,87.73 v1(11.11,87.73) ; v1(11.11,62.36) 11.2,62.36 11.49,62.65 11.49,63.25 11.16,63.58 11.16,64.02 11.84,64.7 12.73,64.7 13.23,65.2 v1(13.23,65.24) 12.67,65.8 10.92,65.8 8.81,67.91 J11.10
Board_15-FLASH_MOSI: length 301.3
  Top w0.12: U77.E3 12,89.25 v1(12.12,89.38) ; U22.E3 88.1,13.14 v1(88.23,13.26) ; v1(50.18,13.26) 50.05,13.14 U12.E3 ; v1(50.18,89.38) 50.05,89.25 U87.E3 ; v1(12.66,41.52) U26.5 ; v1(50.18,38.64) 50.05,38.51 U37.E3 ; v1(50.18,64.01) 50.05,63.88 U62.E3 ; U67.E3 69.07,63.88 v1(69.2,64.01) ; v1(12.12,13.26) 12,13.14 U2.E3 ; v1(12.12,38.64) 12,38.51 U27.E3 ; v1(69.74,92.26) U91.5 ; U57.E3 31.02,63.88 v1(31.15,64.01) ; v1(50.72,41.52) U36.5 ; v1(69.74,16.15) U16.5 ; v1(31.69,92.26) U81.5 ; v1(88.23,38.64) 88.1,38.51 U47.E3 ; v1(31.15,13.26) 31.02,13.14 U7.E3 ; v1(69.2,38.64) 69.07,38.51 U42.E3 ; v1(69.74,66.89) U66.5 ; v1(50.72,66.89) U61.5 ; v1(69.2,89.38) 69.07,89.25 U92.E3 ; v1(69.2,13.26) 69.07,13.14 U17.E3 ; U32.E3 31.02,38.51 v1(31.15,38.64) ; v1(88.23,89.38) 88.1,89.25 U97.E3 ; U52.E3 12,63.88 v1(12.12,64.01) ; v1(88.77,16.15) U21.5 ; v1(50.72,16.15) U11.5 ; v1(50.72,92.26) U86.5 ; v1(88.23,64.01) 88.1,63.88 U72.E3 ; v1(69.74,41.52) U41.5 ; v1(12.66,16.15) U1.5 ; v1(31.69,16.15) U6.5 ; v1(31.69,41.52) U31.5 ; v1(12.66,92.26) U76.5 ; v1(12.66,66.89) U51.5 ; v1(88.77,66.89) U71.5 ; U82.E3 31.02,89.25 v1(31.15,89.38) ; v1(31.69,66.89) U56.5 ; v1(88.77,92.26) U96.5 ; v1(88.77,41.52) U46.5
  In3.Cu w0.12: v1(31.15,13.26) 31.98,13.26 32.62,13.91 32.62,15.66 32.13,16.15 v1(31.69,16.15) 31.18,16.15 30.65,15.62 30.21,15.62 29.29,16.54 29.28,16.54 29.28,18.17 28.68,18.77 27.3,18.77 26.97,18.44 J2.9 ; J5.9 84.05,18.44 84.38,18.77 85.76,18.77 86.36,18.17 86.36,16.54 86.37,16.54 87.29,15.62 87.73,15.62 88.26,16.15 v1(88.77,16.15) 89.2,16.15 89.7,15.66 89.7,13.91 89.06,13.26 v1(88.23,13.26) ; J6.9 7.94,43.81 8.27,44.14 9.65,44.14 10.25,43.54 10.25,41.91 10.26,41.91 11.18,40.99 11.62,40.99 12.16,41.52 v1(12.66,41.52) 13.1,41.52 13.59,41.03 13.59,39.28 12.95,38.64 v1(12.12,38.64) ; J4.9 65.02,18.44 65.35,18.77 66.73,18.77 67.33,18.17 67.33,16.54 67.34,16.54 68.26,15.62 68.7,15.62 69.24,16.15 v1(69.74,16.15) 70.18,16.15 70.67,15.66 70.67,13.91 70.03,13.26 v1(69.2,13.26) ; v1(12.12,89.38) 12.95,89.38 13.59,90.02 13.59,91.77 13.1,92.26 v1(12.66,92.26) 12.16,92.26 11.62,91.73 11.18,91.73 10.26,92.65 10.25,92.65 10.25,94.28 9.65,94.88 8.27,94.88 7.94,94.55 J16.9 ; J7.9 26.97,43.81 27.3,44.14 28.68,44.14 29.28,43.54 29.28,41.91 29.29,41.91 30.21,40.99 30.65,40.99 31.18,41.52 v1(31.69,41.52) 32.13,41.52 32.62,41.03 32.62,39.28 31.98,38.64 v1(31.15,38.64) ; v1(12.12,64.01) 12.95,64.01 13.59,64.65 13.59,66.4 13.1,66.89 v1(12.66,66.89) 12.16,66.89 11.62,66.36 11.18,66.36 10.26,67.28 10.25,67.28 10.25,68.91 9.65,69.51 8.27,69.51 7.94,69.18 J11.9 ; v1(69.2,64.01) 70.03,64.01 70.67,64.65 70.67,66.4 70.18,66.89 v1(69.74,66.89) 69.24,66.89 68.7,66.36 68.26,66.36 67.34,67.28 67.33,67.28 67.33,68.91 66.73,69.51 65.35,69.51 65.02,69.18 J14.9 ; v1(88.23,89.38) 89.06,89.38 89.7,90.02 89.7,91.77 89.2,92.26 v1(88.77,92.26) 88.26,92.26 87.73,91.73 87.29,91.73 86.37,92.65 86.36,92.65 86.36,94.28 85.76,94.88 84.38,94.88 84.05,94.55 J20.9 ; v1(50.18,89.38) 51,89.38 51.65,90.02 51.65,91.77 51.15,92.26 v1(50.72,92.26) 50.21,92.26 49.68,91.73 49.24,91.73 48.32,92.65 48.31,92.65 48.31,94.28 47.71,94.88 46.33,94.88 46,94.55 J18.9 ; v1(88.23,38.64) 89.06,38.64 89.7,39.28 89.7,41.03 89.2,41.52 v1(88.77,41.52) 88.26,41.52 87.73,40.99 87.29,40.99 86.37,41.91 86.36,41.91 86.36,43.54 85.76,44.14 84.38,44.14 84.05,43.81 J10.9 ; J13.9 46,69.18 46.33,69.51 47.71,69.51 48.31,68.91 48.31,67.28 48.32,67.28 49.24,66.36 49.68,66.36 50.21,66.89 v1(50.72,66.89) 51.15,66.89 51.65,66.4 51.65,64.65 51,64.01 v1(50.18,64.01) ; v1(50.18,13.26) 51,13.26 51.65,13.91 51.65,15.66 51.15,16.15 v1(50.72,16.15) 50.21,16.15 49.68,15.62 49.24,15.62 48.32,16.54 48.31,16.54 48.31,18.17 47.71,18.77 46.33,18.77 46,18.44 J3.9 ; v1(50.18,38.64) 51,38.64 51.65,39.28 51.65,41.03 51.15,41.52 v1(50.72,41.52) 50.21,41.52 49.68,40.99 49.24,40.99 48.32,41.91 48.31,41.91 48.31,43.54 47.71,44.14 46.33,44.14 46,43.81 J8.9 ; J9.9 65.02,43.81 65.35,44.14 66.73,44.14 67.33,43.54 67.33,41.91 67.34,41.91 68.26,40.99 68.7,40.99 69.24,41.52 v1(69.74,41.52) 70.18,41.52 70.67,41.03 70.67,39.28 70.03,38.64 v1(69.2,38.64) ; J12.9 26.97,69.18 27.3,69.51 28.68,69.51 29.28,68.91 29.28,67.28 29.29,67.28 30.21,66.36 30.65,66.36 31.18,66.89 v1(31.69,66.89) 32.13,66.89 32.62,66.4 32.62,64.65 31.98,64.01 v1(31.15,64.01) ; v1(31.15,89.38) 31.98,89.38 32.62,90.02 32.62,91.77 32.13,92.26 v1(31.69,92.26) 31.18,92.26 30.65,91.73 30.21,91.73 29.29,92.65 29.28,92.65 29.28,94.28 28.68,94.88 27.3,94.88 26.97,94.55 J17.9 ; J19.9 65.02,94.55 65.35,94.88 66.73,94.88 67.33,94.28 67.33,92.65 67.34,92.65 68.26,91.73 68.7,91.73 69.24,92.26 v1(69.74,92.26) 70.18,92.26 70.67,91.77 70.67,90.02 70.03,89.38 v1(69.2,89.38) ; v1(88.23,64.01) 89.06,64.01 89.7,64.65 89.7,66.4 89.2,66.89 v1(88.77,66.89) 88.26,66.89 87.73,66.36 87.29,66.36 86.37,67.28 86.36,67.28 86.36,68.91 85.76,69.51 84.38,69.51 84.05,69.18 J15.9 ; J1.9 7.94,18.44 8.27,18.77 9.65,18.77 10.25,18.17 10.25,16.54 10.26,16.54 11.18,15.62 11.62,15.62 12.16,16.15 v1(12.66,16.15) 13.1,16.15 13.59,15.66 13.59,13.91 12.95,13.26 v1(12.12,13.26)
  Bottom w0.12: 45.65,69.18 J13.9 ; 64.67,43.81 J9.9 ; 26.62,18.44 J2.9 ; 26.62,43.81 J7.9 ; 64.67,18.44 J4.9 ; 26.62,69.18 J12.9 ; 64.67,69.18 J14.9 ; 7.59,69.18 J11.9 ; 26.62,94.55 J17.9 ; 83.7,18.44 J5.9 ; 83.7,69.18 J15.9 ; 45.65,43.81 J8.9 ; 83.7,43.81 J10.9 ; 7.59,43.81 J6.9 ; 45.65,94.55 J18.9 ; 64.67,94.55 J19.9 ; 45.65,18.44 J3.9 ; 7.59,94.55 J16.9 ; 83.7,94.55 J20.9 ; 7.59,18.44 J1.9